# Altium PCB TEBF0808.PcbDoc (part 10 of 11)
Units mm, origin at the board's own origin, x right, y up, seen from the top; angles counter-clockwise.
Board outline 170 x 170 mm, 16 copper layers (L 01, L 02 G, L 03 S, L 04 G, L 05 S, L 06 G, L 07 P, L 08 P, L 09 P, L 10 P, L 11 G, L 12 S, L 13 G, L 14 S, L 15 G, L 16), stack 1.774 mm thick; 609 components, 869 nets, 3941 pads, 2358 vias.
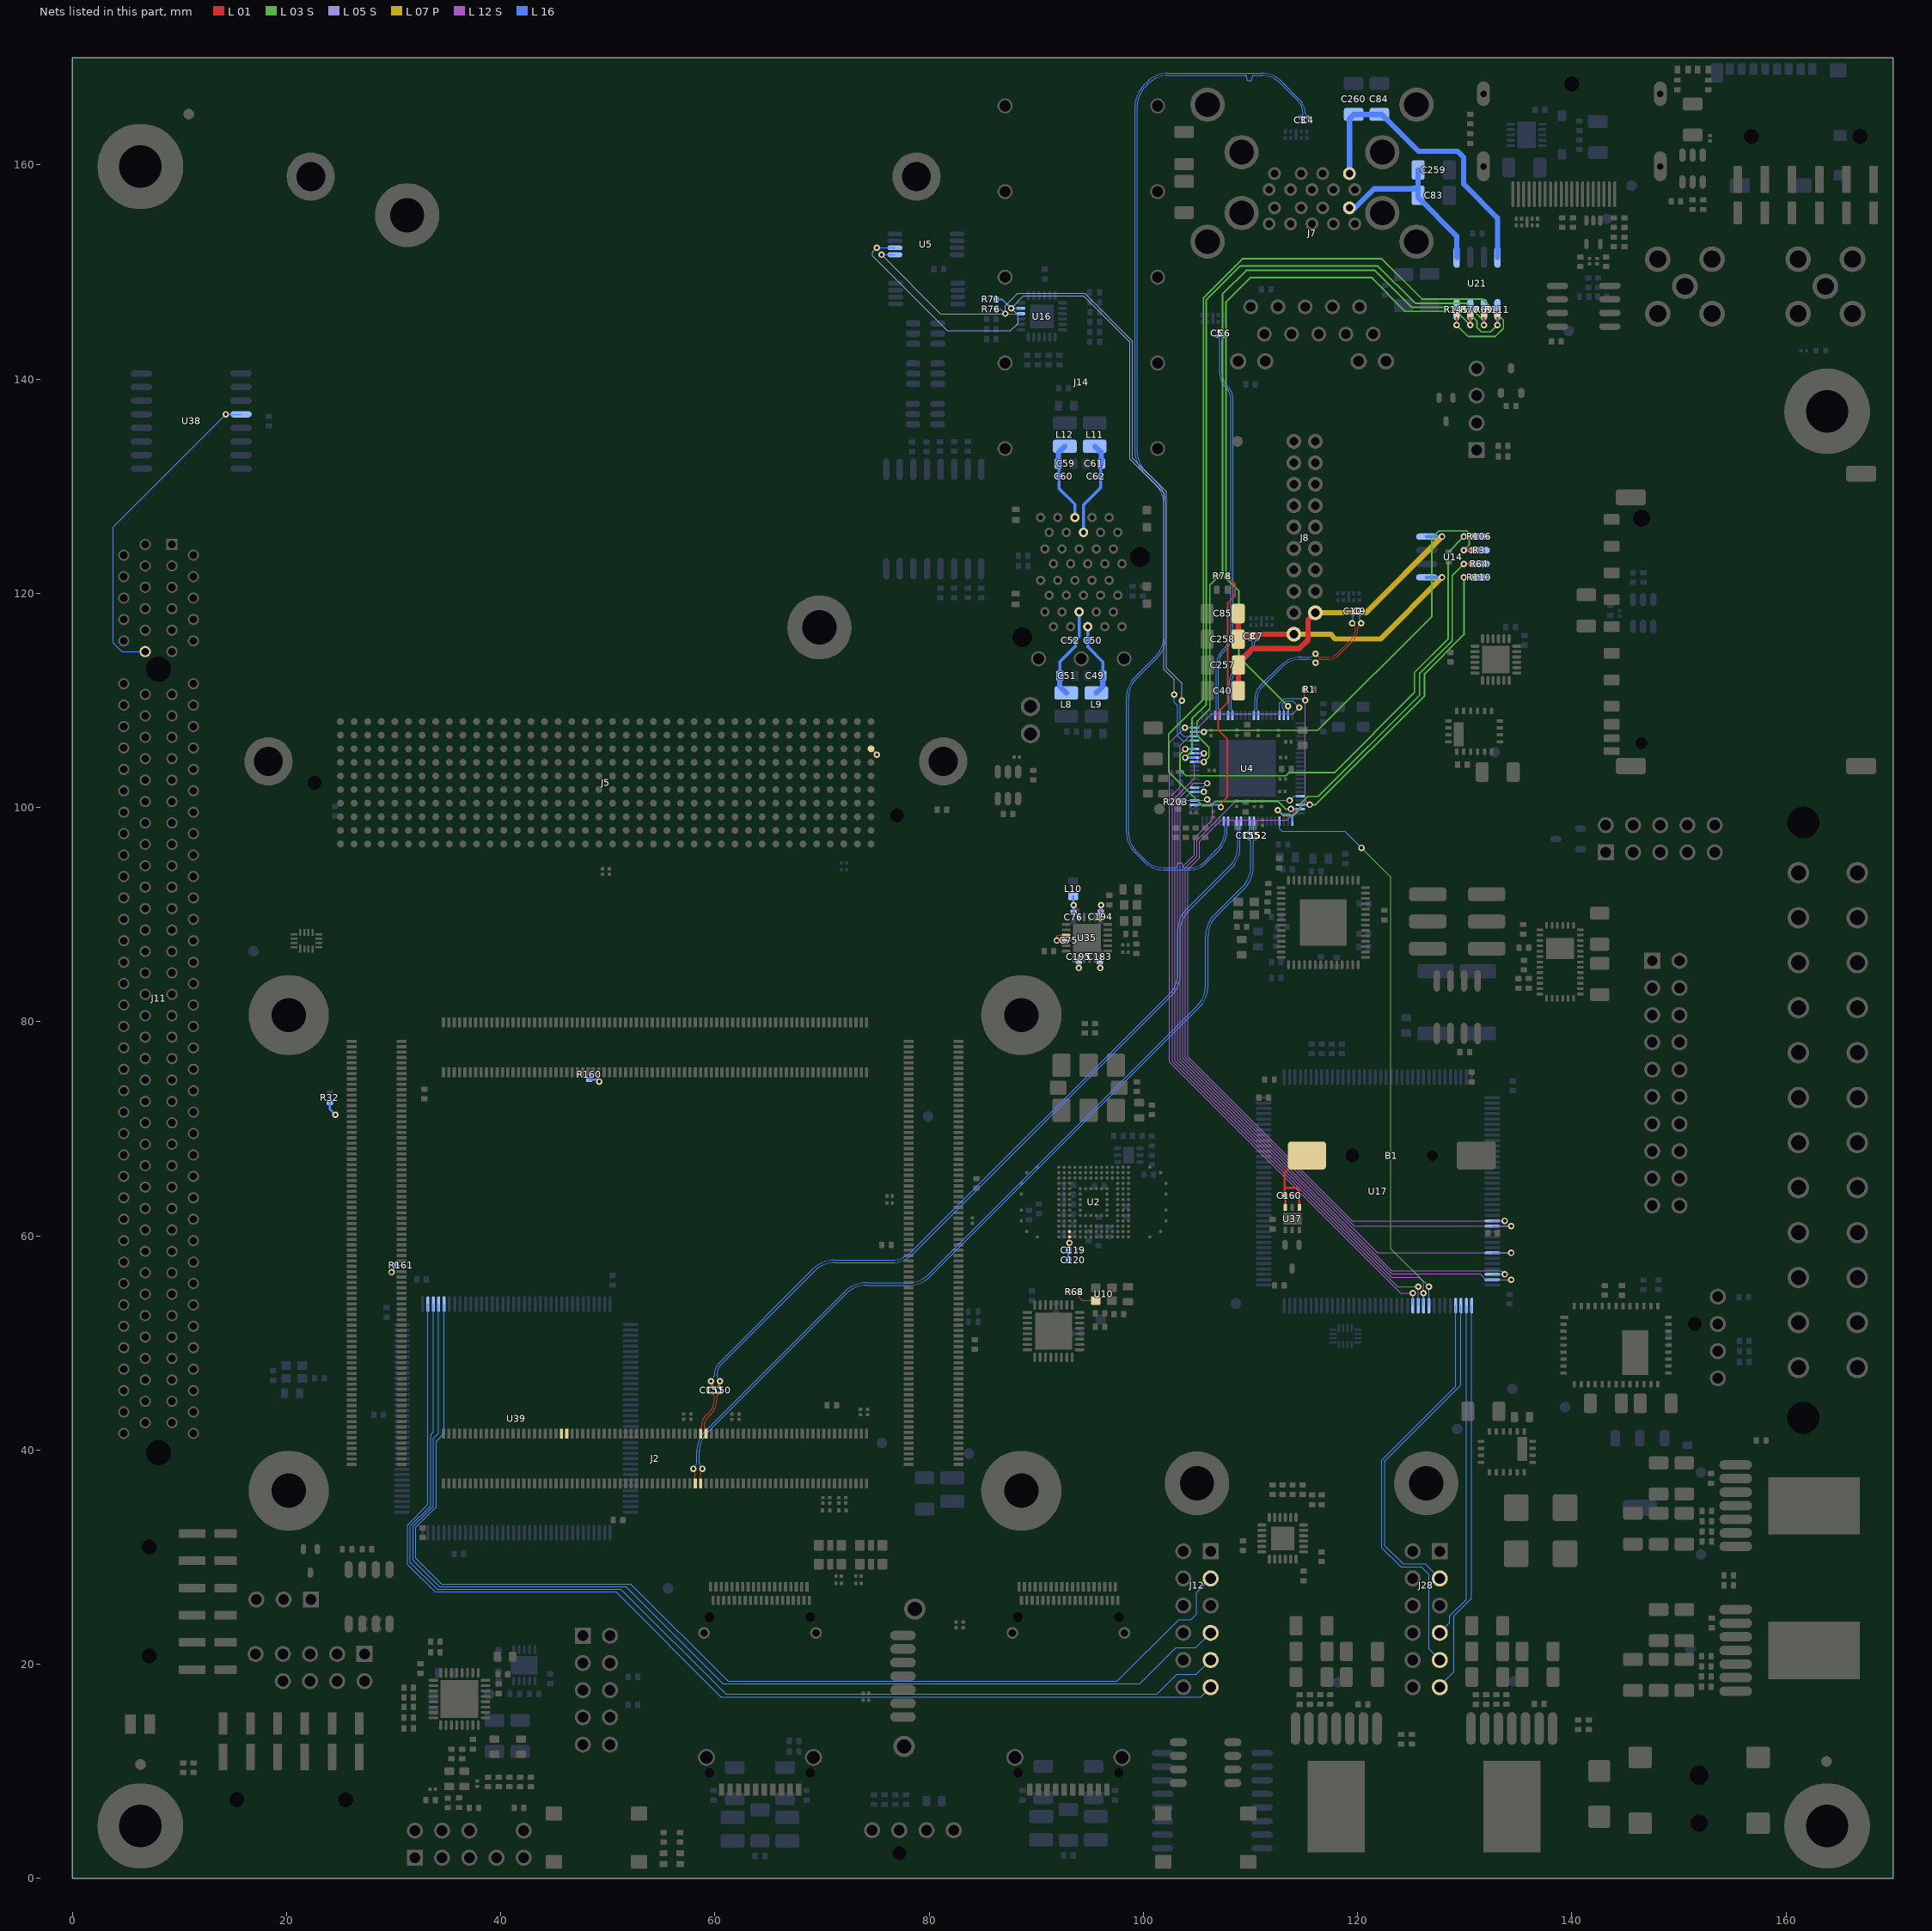
[diagram p24: the nets of this part, all layers, seen from the top]

## Via types
v1: diameter 0.6, hole 0.3, L 01 to L 16, 2356 vias
v2: diameter 0.6/0/0/0/0/0/0/0/0/0/0/0/0/0/0/0.6 (per signal layer), hole 0.3, L 01 to L 16, 2 vias

## Nets (pads, with @x,y where several pads share a name; then routed paths per layer and width w, separated by ;. In a path a pad name is that pad's centre, name@x,y a point inside that pad or via, vN(x,y) a via of type N, cw(c..) or ccw(c..) an arc to the next point about the centre after c; other vN are vias at no path point) (continued)
USB3_RXUP_N: C152.1 J2.64 | length 84.9
  L 01 w0.1: J2.64@58.655,36.868 58.655,37.828 cw(c59.253,37.828) v1(58.83,38.25)
  L 16 w0.1: v1(58.83,38.25) 58.699,38.382 cw(c59.117,38.8) 58.525,38.8 58.525,39.798 cw(c61.065,39.798) 59.269,41.594 72.316,54.641 cw(c74.112,52.845) 74.112,55.385 78.123,55.385 ccw(c78.123,58.165) 80.089,56.199 105.211,81.321 ccw(c103.245,83.287) 106.025,83.287 106.025,87.983 cw(c108.565,87.983) 106.769,89.78 109.435,92.446 ccw(c107.47,94.412) 110.25,94.412 110.25,96.825 cw(c110.484,96.825) 110.318,96.991 C152.1@110.45,97.123
USB3_RXUP_P: C155.1 J2.66 | length 84.9
  L 01 w0.1: v1(57.98,38.25) cw(c57.558,37.828) 58.155,37.828 J2.66@58.155,36.868
  L 16 w0.1: v1(57.98,38.25) 58.112,38.382 ccw(c57.694,38.8) 58.285,38.8 58.285,39.798 cw(c61.065,39.798) 59.1,41.764 72.146,54.811 cw(c74.112,52.845) 74.112,55.625 78.123,55.625 ccw(c78.123,58.165) 79.919,56.369 105.041,81.491 ccw(c103.245,83.287) 105.785,83.287 105.785,87.983 cw(c108.565,87.983) 106.599,89.949 109.266,92.616 ccw(c107.47,94.412) 110.01,94.412 110.01,96.825 ccw(c109.775,96.825) 109.941,96.991 C155.1@109.809,97.123
USB3_RXUPC_N: C152.2 U4.10 | length 1.1
  L 16 w0.1: U4.10@110.31,98.715 110.31,97.767 C152.2@110.45,97.627
USB3_RXUPC_P: C155.2 U4.11 | length 1.1
  L 16 w0.1: C155.2@109.809,97.627 109.91,97.728 U4.11@109.91,98.715
USB3_TXDN1_D_N: C10.1 U4.57 | length 15.9
  L 01 w0.1: v1(116.075,114.34) 116.288,114.127 ccw(c116.534,114.372) 116.534,114.025 117.255,114.025 ccw(c117.255,115.22) 118.1,114.375 119.366,115.641 ccw(c118.282,116.725) 119.815,116.725 ccw(c119.429,116.725) 119.702,116.998 v1(119.5,117.2)
  L 16 w0.1: U4.57@110.31,108.585 110.31,108.924 cw(c110.651,108.924) 110.41,109.165 110.41,110.175 cw(c112.083,110.175) 110.9,111.358 112.765,113.222 cw(c114.702,111.285) 114.702,114.025 115.315,114.025 ccw(c115.315,115.1) v1(116.075,114.34) ; v1(119.5,117.2) ccw(c119.329,117.371) 119.571,117.371 C10.1@119.571,118.05
USB3_TXDN1_D_P: C9.1 U4.58 | length 15.9
  L 01 w0.1: v1(116.075,113.51) 116.288,113.723 cw(c116.534,113.478) 116.534,113.825 117.255,113.825 ccw(c117.255,115.22) 118.241,114.234 119.508,115.5 ccw(c118.282,116.725) 120.015,116.725 cw(c120.401,116.725) 120.128,116.998 v1(120.33,117.2)
  L 16 w0.1: U4.58@110.71,108.585 110.71,108.924 ccw(c110.369,108.924) 110.61,109.165 110.61,110.175 cw(c112.083,110.175) 111.041,111.216 112.906,113.081 cw(c114.702,111.285) 114.702,113.825 115.315,113.825 cw(c115.315,112.75) v1(116.075,113.51) ; C9.1@120.221,118.05 120.221,117.463 ccw(c120.593,117.463) v1(120.33,117.2)
USB3_TXDN2_D_N: C7.1 U4.52 | length 8
  L 16 w0.1: U4.52@108.31,108.585 108.31,108.924 ccw(c107.969,108.924) 108.21,109.165 108.21,111.458 cw(c110.75,111.458) 108.954,113.254 109.895,114.195 ccw(c108.74,115.35) 110.374,115.35 cw(c110.7,115.35) 110.469,115.581 C7.1@110.611,115.723
USB3_TXDN2_D_P: C8.1 U4.51 | length 8
  L 16 w0.1: U4.51@107.91,108.585 107.91,108.924 cw(c108.251,108.924) 108.01,109.165 108.01,111.458 cw(c110.75,111.458) 108.813,113.395 109.754,114.337 ccw(c108.74,115.35) 110.174,115.35 ccw(c109.847,115.35) 110.078,115.581 ; C8.1@109.936,115.723 C8.1@110.078,115.581
USB3_TXDN3_D_N: C5.1 U4.48 | length 36.2
  L 16 w0.1: U4.48@106.71,108.585 106.71,108.924 cw(c107.051,108.924) 106.81,109.165 106.81,113.307 cw(c108.768,113.307) 107.384,114.691 107.431,114.739 ccw(c105.635,116.535) 108.175,116.535 108.175,138.053 ccw(c106.553,138.053) 107.7,139.2 cw(c109.074,140.574) 107.131,140.574 107.131,143.575 ccw(c106.666,143.575) 106.995,143.904 C5.1@106.881,144.018
USB3_TXDN3_D_P: C6.1 U4.49 | length 36.2
  L 16 w0.1: U4.49@107.11,108.585 107.11,108.924 ccw(c106.769,108.924) 107.01,109.165 107.01,113.307 cw(c108.768,113.307) 107.525,114.55 107.572,114.597 ccw(c105.635,116.535) 108.375,116.535 108.375,138.053 ccw(c106.553,138.053) 107.841,139.341 cw(c109.074,140.574) 107.331,140.574 107.331,143.575 cw(c107.796,143.575) 107.467,143.904 C6.1@107.581,144.018
USB3_TXDN4_D_N: C3.1 U4.17 | length 103.9
  L 16 w0.1: U4.17@107.51,98.715 107.51,98.376 ccw(c107.851,98.376) 107.61,98.135 107.61,97.85 cw(c105.16,97.85) 106.892,96.117 105.675,94.9 cw(c104.408,96.167) 104.408,94.375 104.158,94.375 103.833,94.375 cw(c103.833,94.55) 103.658,94.55 103.658,94.629 ccw(c103.483,94.629) 103.483,94.804 103.333,94.804 ccw(c103.333,94.629) 103.158,94.629 103.158,94.55 cw(c102.983,94.55) 102.983,94.375 102.7,94.375 101.85,94.375 cw(c101.85,96.729) 100.186,95.064 99.344,95.906 cw(c101.14,97.702) 98.6,97.702 98.6,110.223 cw(c101.14,110.223) 99.344,112.019 101.297,113.972 ccw(c99.36,115.91) 102.1,115.91 102.1,128.348 ccw(c99.36,128.348) 101.297,130.285 100.169,131.414 cw(c101.965,133.21) 99.425,133.21 99.425,165.473 cw(c101.965,165.473) 100.169,167.269 100.506,167.606 cw(c102.302,165.81) 102.302,168.35 109.4,168.35 109.475,168.35 cw(c109.475,168.175) 109.65,168.175 109.65,168.025 ccw(c109.825,168.025) 109.825,167.85 109.975,167.85 ccw(c109.975,168.025) 110.15,168.025 110.15,168.175 cw(c110.325,168.175) 110.325,168.35 110.4,168.35 110.998,168.35 cw(c110.998,165.81) 112.794,167.606 114.423,165.977 cw(c113.27,164.825) 114.9,164.825 cw(c114.549,164.825) 114.797,164.577 C3.1@114.65,164.43
USB3_TXDN4_D_P: C4.1 U4.16 | length 103.9
  L 16 w0.1: U4.16@107.91,98.715 107.91,98.376 cw(c107.569,98.376) 107.81,98.135 107.81,97.85 cw(c105.16,97.85) 107.034,95.976 105.816,94.759 cw(c104.408,96.167) 104.408,94.175 101.85,94.175 cw(c101.85,96.729) 100.044,94.923 99.203,95.765 cw(c101.14,97.702) 98.4,97.702 98.4,110.223 cw(c101.14,110.223) 99.203,112.16 101.156,114.114 ccw(c99.36,115.91) 101.9,115.91 101.9,128.348 ccw(c99.36,128.348) 101.156,130.144 100.028,131.272 cw(c101.965,133.21) 99.225,133.21 99.225,165.473 cw(c101.965,165.473) 100.028,167.41 100.365,167.747 cw(c102.302,165.81) 102.302,168.55 110.998,168.55 cw(c110.998,165.81) 112.935,167.747 114.564,166.119 cw(c113.27,164.825) 115.1,164.825 ccw(c115.451,164.825) 115.203,164.577 C4.1@115.35,164.43
USB3_TXUP_N: C150.1 J2.61 | length 4.3
  L 01 w0.1: J2.61@59.155,41.538 59.155,42.053 59.025,42.183 59.025,42.474 cw(c59.642,42.474) 59.206,42.91 59.619,43.323 ccw(c58.289,44.653) 60.17,44.653 60.17,45.011 cw(c60.488,45.011) C150.1@60.263,45.236 ; C150.1@60.263,45.236 C150.1@60.375,45.348
USB3_TXUP_P: C151.1 J2.63 | length 4.3
  L 01 w0.1: J2.63@58.655,41.538 58.655,42.053 58.785,42.183 58.785,42.474 cw(c59.642,42.474) 59.036,43.08 59.449,43.493 ccw(c58.289,44.653) 59.93,44.653 59.93,45.011 ccw(c59.612,45.011) 59.837,45.236 C151.1@59.725,45.348
USB3_TXUPC_N: C150.2 U4.13 | length 77.1
  L 01 w0.15: C150.2@60.375,45.852 60.375,46.184 cw(c60.716,46.184) v1(60.475,46.425)
  L 16 w0.1: v1(60.475,46.425) 60.343,46.557 cw(c60.762,46.975) 60.17,46.975 cw(c61.606,46.975) 60.591,47.991 69.356,56.756 cw(c71.152,54.96) 71.152,57.5 76.525,57.5 ccw(c76.525,60.28) 78.491,58.314 102.626,82.449 ccw(c100.66,84.415) 103.44,84.415 103.44,88.513 cw(c105.98,88.513) 104.184,90.309 108.216,94.341 ccw(c106.25,96.307) 109.03,96.307 109.03,98.635 U4.13@109.11,98.715
USB3_TXUPC_P: C151.2 U4.14 | length 77.1
  L 01 w0.15: v1(59.625,46.425) cw(c59.384,46.184) 59.725,46.184 C151.2@59.725,45.852
  L 16 w0.1: v1(59.625,46.425) 59.757,46.557 ccw(c59.339,46.975) 59.93,46.975 cw(c61.606,46.975) 60.421,48.16 69.186,56.926 cw(c71.152,54.96) 71.152,57.74 76.525,57.74 ccw(c76.525,60.28) 78.321,58.484 102.456,82.619 ccw(c100.66,84.415) 103.2,84.415 103.2,88.513 cw(c105.98,88.513) 104.014,90.479 108.046,94.51 ccw(c106.25,96.307) 108.79,96.307 108.79,98.635 U4.14@108.71,98.715
USB_CLK: R68.1 U10.3 | length 2.2
  L 01 w0.1: R68.1@93.995,54.75 93.995,54.255 94.3,53.95 U10.3@95.55,53.95
USBH_EN1: R106.2 U4.38 U14.1 | length 47.2
  L 01 w0.17: v1(129.92,125.28) R106.2@130.905,125.28
  L 03 S w0.15: v1(103.9,105.45) 103.425,104.975 103.425,103.5 103.975,102.95 113.3,102.95 113.6,103.25 117.825,103.25 125.3,110.725 125.3,112.6 128.45,115.75 128.45,123.81 v1(129.92,125.28)
  L 16 w0.15: v1(103.9,105.45) U4.38@104.775,105.45
  L 16 w0.17: v1(129.92,125.28) U14.1@131.35,125.28
USBH_EN2: R110.2 U4.86 U14.4 | length 30.8
  L 01 w0.17: v1(129.92,121.47) R110.2@130.905,121.47
  L 03 S w0.15: v1(115.52,100.25) 116.075,100.25 126.25,110.425 126.25,112.475 129.92,116.145 v1(129.92,121.47)
  L 16 w0.15: U4.86@114.645,100.25 v1(115.52,100.25)
  L 16 w0.17: v1(129.92,121.47) U14.4@131.35,121.47
USBH_EN3: R145.2 U4.87 U21.4 | length 99.8
  L 01 w0.17: v1(129.245,145.045) R145.2@129.245,146.03
  L 03 S w0.15: v1(113.77,99.85) 113.275,99.85 112.575,100.55 106.7,100.55 106.325,100.175 105.5,100.175 102.35,103.325 102.35,106.85 105.6,110.1 105.6,147.575 109.25,151.225 122.25,151.225 126,147.475 131.625,147.475 133.6,145.5 133.6,144.725 132.85,143.975 130.315,143.975 v1(129.245,145.045)
  L 16 w0.15: v1(113.77,99.85) U4.87@114.645,99.85
  L 16 w0.17: v1(129.245,145.045) U21.4@129.245,146.475
USBH_EN4: R111.2 U4.35 U21.1 | length 78.2
  L 01 w0.17: v1(133.055,145.045) R111.2@133.055,146.03
  L 03 S w0.15: v1(105.65,104.25) 106.125,104.725 106.125,105.6 105,106.725 105,108.025 106.2,109.225 106.2,120.75 107.4,121.95 107.4,147.954 109.596,150.15 121.6,150.15 125.05,146.7 129.85,146.7 131.15,145.4 131.15,144.8 131.55,144.4 132.41,144.4 v1(133.055,145.045)
  L 16 w0.15: U4.35@104.775,104.25 v1(105.65,104.25)
  L 16 w0.17: v1(133.055,145.045) U21.1@133.055,146.475
USBH_LED_G3: U4.64 U17.11 | length 78.9
  L 01 w0.1: v1(114.55,109.325) v1@114.575,109.35
  L 12 S w0.1: v1(114.55,109.325) 113.95,108.725 106.375,108.725 103.45,105.8 103.45,101.925 102.7,101.175 102.7,76.284 123.734,55.25 v1(125.65,55.25)
  L 16 w0.1: U4.64@113.11,108.585 113.11,109.19 113,109.3 113,109.7 113.25,109.95 113.925,109.95 v1(114.55,109.325) ; U17.11@125.65,53.48 v1(125.65,55.25)
USBH_LED_G4: U4.43 U17.12 | length 65.6
  L 01 w0.1: v1@103.85,107.475 v1(103.875,107.45)
  L 12 S w0.1: v1(103.875,107.45) 102.446,106.021 102.446,76.22 124.016,54.65 v1(125.15,54.65)
  L 16 w0.1: v1(103.875,107.45) U4.43@104.775,107.45 ; U17.12@125.15,53.48 v1(125.15,54.65)
USBH_LED_SS1: U4.4 U17.9 | length 54.4
  L 03 S w0.1: v1(120.35,96.225) 123.1,93.475 123.1,58.8 v1(126.65,55.25)
  L 16 w0.1: U4.4@112.71,98.715 112.71,98.015 112.95,97.775 118.8,97.775 v1(120.35,96.225) ; U17.9@126.65,53.48 v1(126.65,55.25)
USBH_LED_SS2: U4.84 U17.133 | length 70.8
  L 01 w0.1: v1@113.65,100.625 v1(113.65,100.65)
  L 12 S w0.1: v1(113.65,100.65) 108.7,100.65 105,96.95 105,95.45 103.925,94.375 103.925,76.657 119.682,60.9 v1(134.34,60.9)
  L 16 w0.1: v1(113.65,100.65) 114.05,101.05 U4.84@114.645,101.05 ; U17.133@132.57,60.9 v1(134.34,60.9)
USBH_LED_SS3: R1.2 U4.63 U17.132 | length 83.3
  L 01 w0.1: R1.2@115.055,111 115.055,110.045 v1(115.1,110)
  L 12 S w0.1: v1(115.1,110) 115.1,100.675 115.175,100.6 113.375,98.8 107.25,98.8 105.25,96.8 105.25,95.3 104.175,94.225 104.175,76.725 119.5,61.4 v1(133.74,61.4)
  L 16 w0.1: U4.63@112.71,108.585 112.71,109.735 113.15,110.175 114.925,110.175 v1(115.1,110) ; U17.132@132.57,61.4 v1(133.74,61.4)
USBH_LED_SS4: R203.2 U4.26 U17.138 | length 68
  L 12 S w0.1: v1(105.95,100.75) 106.45,100.25 106.45,98.85 104.75,97.15 104.75,95.575 103.675,94.5 103.675,76.589 121.864,58.4 v1(134.34,58.4)
  L 16 w0.1: R203.2@103.495,100.5 103.645,100.65 U4.26@104.775,100.65 105.85,100.65 v1(105.95,100.75) ; U17.138@132.57,58.4 v1(134.34,58.4)
USBH_MODE0: U4.28 U17.142 | length 67.2
  L 12 S w0.1: v1(105.65,101.45) 104.475,101.45 103.425,100.4 103.425,76.514 123.189,56.75 133.39,56.75 v1(133.74,56.4)
  L 16 w0.1: U17.142@132.57,56.4 v1(133.74,56.4)
  L 16 w0.15: U4.28@104.775,101.45 v1(105.65,101.45)
USBH_MODE1: U4.29 U17.143 | length 70.5
  L 12 S w0.1: v1(105.95,102.25) 104.7,102.25 103.2,100.75 103.2,76.42 123.17,56.45 131.425,56.45 131.975,55.9 v1(134.34,55.9)
  L 16 w0.1: U4.29@104.775,101.85 104.775,101.9 105.6,101.9 v1(105.95,102.25) ; U17.143@132.57,55.9 v1(134.34,55.9)
USBH_OC1: R3.2 U4.42 U14.2 | length 42
  L 01 w0.17: v1(129.92,124.01) R3.2@130.905,124.01
  L 03 S w0.15: v1(105.65,107.05) 105.8,107.2 116.275,107.2 126.925,117.85 126.925,125.175 127.575,125.825 130.175,125.825 130.425,125.575 130.425,124.515 v1(129.92,124.01)
  L 16 w0.15: U4.42@104.775,107.05 v1(105.65,107.05)
  L 16 w0.17: v1(129.92,124.01) U14.2@131.35,124.01
USBH_OC2: R64.2 U4.1 U14.3 | length 36.8
  L 01 w0.17: v1(129.92,122.74) R64.2@130.905,122.74
  L 03 S w0.15: v1(112.55,99.75) 113.075,99.225 114,99.225 114.675,99.9 114.675,100.35 115.35,101.025 116.325,101.025 125.775,110.475 125.775,112.5 128.825,115.55 128.825,121.645 v1(129.92,122.74)
  L 16 w0.15: v1(112.55,99.75) 112.925,99.375 113.675,99.375 113.91,99.14 U4.1@113.91,98.715
  L 16 w0.17: v1(129.92,122.74) U14.3@131.35,122.74
USBH_OC3: R70.2 U4.65 U21.3 | length 69
  L 01 w0.17: v1(130.515,145.045) R70.2@130.515,146.03
  L 03 S w0.15: v1(113.51,109.46) 108.9,114.07 108.9,120.225 107.7,121.425 107.7,147.15 110.025,149.475 121.275,149.475 124.425,146.325 129.235,146.325 v1(130.515,145.045)
  L 16 w0.15: U4.65@113.51,108.585 v1(113.51,109.46)
  L 16 w0.17: v1(130.515,145.045) U21.3@130.515,146.475
USBH_OC4: R69.2 U4.36 U21.2 | length 76.6
  L 01 w0.17: v1(131.785,145.045) R69.2@131.785,146.03
  L 03 S w0.15: v1(103.9,104.65) 104.525,105.275 104.525,108.275 105.875,109.625 105.875,147.4 109.025,150.55 121.9,150.55 125.375,147.075 130.1,147.075 131.785,145.39 v1(131.785,145.045)
  L 16 w0.15: v1(103.9,104.65) U4.36@104.775,104.65
  L 16 w0.17: v1(131.785,145.045) U21.2@131.785,146.475
USBH_RST: U4.37 U17.10 | length 64.7
  L 12 S w0.1: v1(105.65,105.05) 104.75,104.15 104.75,102.725 102.95,100.925 102.95,76.352 123.152,56.15 125.7,56.15 126.15,55.7 v1(126.15,54.65)
  L 16 w0.1: U17.10@126.15,53.48 v1(126.15,54.65)
  L 16 w0.15: U4.37@104.775,105.05 v1(105.65,105.05)
USBH_SCL: R71.1 U4.40 U5.6 U16.17 | length 77.4
  L 05 S w0.1: v1(75.1,152.25) 74.7,151.85 74.7,151.5 81.7,144.5 87.6,144.5 88.3,145.2 88.3,145.95 v1(87.65,146.6) 88.8,147.75 94.425,147.75 98.75,143.425 98.75,132.5 101.9,129.35 101.9,112.921 102.875,111.945 v1(102.875,110.525)
  L 16 w0.1: v1(75.1,152.25) U5.6@76.8,152.25 ; v1(87.65,146.6) U16.17@88.56,146.6 ; v1(102.875,110.525) 102.875,109.825 103.2,109.5 103.2,106.7 103.65,106.25 U4.40@104.775,106.25
  L 16 w0.15: R71.1@86.245,147.425 86.825,147.425 v1(87.65,146.6)
USBH_SDA: R76.1 U4.41 U5.5 U16.16 | length 72.6
  L 05 S w0.1: v1(75.55,151.6) 81.05,146.1 v1(87.1,146.1) 87.1,146.85 88.25,148 94.529,148 99,143.529 99,132.604 102.15,129.454 102.15,113.024 103.587,111.587 v1(103.587,109.975)
  L 16 w0.1: v1(75.55,151.6) U5.5@76.8,151.6 ; R76.1@86.245,146.525 86.675,146.525 v1(87.1,146.1) U16.16@88.56,146.1 ; v1(103.587,109.975) 103.425,109.813 103.425,106.975 103.75,106.65 U4.41@104.775,106.65
USBH_SUSP: R78.1 U4.25 | length 25.7
  L 01 w0.15: v1(107.225,100.025) 107.225,100.35 107.825,100.95 107.825,106.4 106.975,107.25 106.975,108.9 107.875,109.8 107.875,119.1 108.55,119.775 108.55,120.845 R78.1@107.795,121.6
  L 16 w0.15: U4.25@104.775,100.25 107,100.25 v1(107.225,100.025)
V_N: J2.115
V_P: J2.113
VBATT: B1.+ C160.1 U37.4 U37.6 | length 9.1
  L 01 w0.2: U37.6@113.25,62.65 113.25,63.675 C160.1@113.175,63.75 113.175,64.475 ; U37.4@114.55,62.65 114.55,64.25 114.325,64.475 113.175,64.475 ; B1.+@115.27,67.5 114.825,67.5 113.175,65.85 113.175,64.475
VBUS1: C40.1 C257.1 J8.19 U14.8 | length 29
  L 01 w0.5: C40.1@108.875,110.9 C257.1@108.875,113.3 108.875,113.525 110.175,114.825 114.55,114.825 115.375,115.65 115.375,117.5 J8.19@116.05,118.175
  L 07 P w0.5: J8.19@116.05,118.175 120.775,118.175 v1(127.88,125.28)
  L 16 w0.3: U14.8@126.45,125.28 v1(127.88,125.28)
VBUS2: C85.1 C258.1 J8.1 U14.5 | length 25.6
  L 01 w0.5: C85.1@108.85,118.1 C258.1@108.85,115.7 109.325,116.175 J8.1@114.05,116.175
  L 07 P w0.5: J8.1@114.05,116.175 117.475,116.175 117.925,115.725 122.135,115.725 v1(127.88,121.47)
  L 16 w0.3: U14.5@126.45,121.47 v1(127.88,121.47)
VBUS3: C83.1 C259.1 J7.U10 U21.5 | length 16.8
  L 16 w0.5: J7.U10@119.235,155.983 119.758,155.983 121.525,157.75 C83.1@125.65,157.75 ; C259.1@125.65,159.525 C83.1@125.65,157.75 ; U21.5@129.245,151.375 129.245,153.355 125.65,156.95 C83.1@125.65,157.15 C83.1@125.65,157.75
VBUS4: C84.1 C260.1 J7.U1 U21.8 | length 28.2
  L 16 w0.5: J7.U1@119.235,159.183 119.235,164.31 C260.1@119.625,164.7 C84.1@122.025,164.7 122.25,164.7 125.675,161.275 129.3,161.275 129.9,160.675 129.9,158.2 133.055,155.045 U21.8@133.055,151.375
VCCRA: C51.1 C52.1 J14.T15 L8.2 | length 8.6
  L 16 w0.3: C51.1@92.19,112.3 92.19,113.59 93.65,115.05 C52.1@93.65,115.6 94,115.95 J14.T15@94,118.26
  L 16 w0.5: C51.1@92.19,112.3 92.19,111.3 L8.2@92.8,110.69
VCCRB: C61.1 C62.1 J14.L15 L11.2 | length 9
  L 16 w0.3: J14.L15@94.4,125.68 94.4,128.25 96.01,129.86 C62.1@96.01,130.9 96.01,132.04 C61.1@96.07,132.1
  L 16 w0.5: L11.2@95.46,133.71 96.07,133.1 C61.1@96.07,132.1
VCCTA: C49.1 C50.1 J14.T16 L9.2 | length 7
  L 16 w0.3: J14.T16@94.8,116.88 94.8,115 96.21,113.59 C49.1@96.21,112.3
  L 16 w0.5: L9.2@95.6,110.69 96.21,111.3 C49.1@96.21,112.3
VCCTB: C59.1 C60.1 J14.L16 L12.2 | length 7.5
  L 16 w0.3: C59.1@92.05,132.1 92.11,132.04 C60.1@92.11,130.9 92.11,129.79 93.6,128.3 J14.L16@93.6,127.07
  L 16 w0.5: C59.1@92.05,132.1 92.05,133.1 L12.2@92.66,133.71
VDD_CLK: C75.1 C76.1 C183.1 C194.1 C195.1 L10.1 U35.7 U35.11 U35.15 U35.16 U35.20 U35.24 | length 10.5
  L 01 w0.1: U35.16@92.785,87.575 v1(91.9,87.575) 91.9,87.975 92,88.075 U35.15@92.785,88.075 ; v1(93.475,90.875) 93.975,90.375 U35.11@93.975,89.765 ; v1(93.975,85) U35.20@93.975,85.885 ; v1(95.975,85) U35.24@95.975,85.885 ; U35.7@95.975,89.765 95.975,90.45 96.05,90.525 v1(96.05,90.875)
  L 16 w0.2: v1(91.9,87.575) C75.1@92.585,87.575 ; L10.1@93.45,91.69 93.45,90.9 v1(93.475,90.875) C76.1@93.475,90.215 ; v1(93.975,85) C195.1@93.975,85.625 ; C183.1@95.925,85.615 95.925,85.05 v1(95.975,85) ; C194.1@96.025,90.225 96.025,90.85 v1(96.05,90.875)
VDDIM: C119.1 C120.1 U2.K1 U2.K2 | length 2.8
  L 01 w0.1: v1(93.1,59.35) U2.K1@93.1,59.9 U2.K2@93.1,60.4
  L 16 w0.2: C120.1@93,57.75 C119.1@93,58.65 93,59.25 v1(93.1,59.35) v1@93.2,59.25
VREF_A_M2C: J5.H1 R32.2 R160.2 R161.1 | length 4
  L 01 w0.2: J5.H1@74.566,105.475 v1(75.115,104.926)
  L 16 w0.15: v1(29.8,56.6) 29.8,56.75 30.235,57.185 R161.1@30.235,57.25
  L 16 w0.2: R32.2@24.05,72.455 24.05,71.8 v1(24.55,71.3) ; R160.2@48.25,74.605 48.995,74.605 v1(49.2,74.4)
WAKE: J11.B11 U38.4 | length 30.5
  L 01 w0.1: v1@14.3,136.69 v1(14.32,136.71)
  L 16 w0.1: J11.B11@6.8,114.55 4.6,114.55 3.8,115.35 3.8,126.19 v1(14.32,136.71) U38.4@15.75,136.71
XMOD1_A: J28.3 U17.3 | length 31.7
  L 16 w0.1: J28.3@127.67,28.01 126.3,29.38 124.245,29.38 122.55,31.075 122.55,38.95 129.65,46.05 U17.3@129.65,53.48
XMOD1_B: J28.7 U17.2 | length 31.6
  L 16 w0.1: J28.7@127.67,22.93 128.6,23.86 128.6,24.5 130.15,26.05 U17.2@130.15,53.48
XMOD1_E: J28.9 U17.4 | length 39.3
  L 16 w0.1: J28.9@127.67,20.39 126.65,21.41 126.65,28.35 125.925,29.075 124.05,29.075 122.25,30.875 122.25,39.025 129.15,45.925 U17.4@129.15,53.48
XMOD1_G: J28.11 U17.1 | length 36.9
  L 16 w0.1: J28.11@127.67,17.85 127.67,17.97 129,19.3 129,24.5 130.65,26.15 U17.1@130.65,53.48
XMOD2_A: J12.3 U39.5 | length 109
  L 16 w0.1: U39.5@34.7,53.62 34.7,41.55 33.975,40.825 33.975,34.725 32.05,32.8 32.05,29.9 34.45,27.5 52.121,27.5 61.221,18.4 97.55,18.4 103.3,24.15 104.45,24.15 104.96,24.66 104.96,26.7 J12.3@106.27,28.01